# Allegro board ZC7020-PCB.brd (continued)
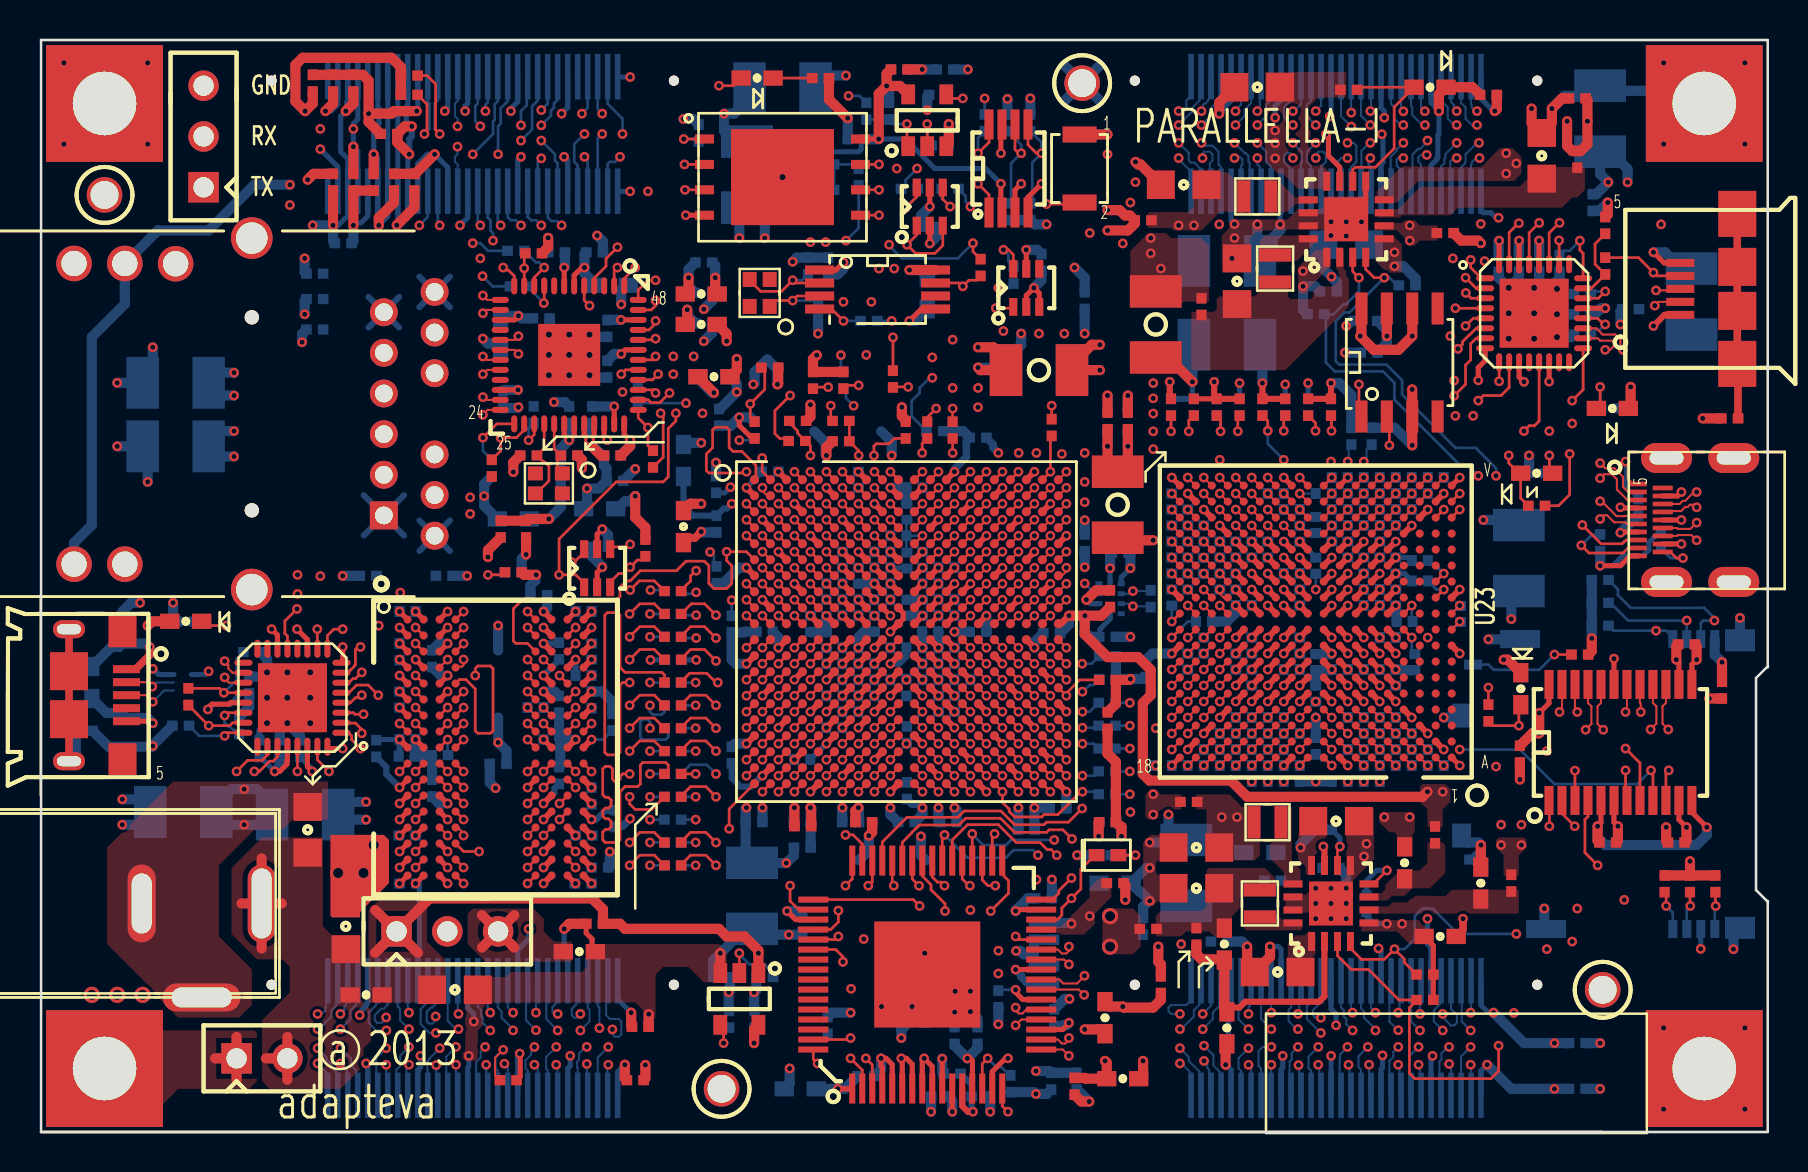
[diagram p0: board, top side]
## Routing (per net, layer and track width the routed paths; a pad name or vN(x,y) marks a point on that pad's centre or on a via; arc(x,y) is an arc through that point) (continued)
TXO_SO_LCLK_N: length 24.6
  TOP w0.102: U23.V13 v1(60.61,32.73)
  L3_SIG w0.095: v1(60.61,32.73) 60.63,32.75 60.63,35.53 61.22,36.12 61.22,36.7 61.59,37.07 61.59,37.64 61.33,37.9 61.33,38.53 61.24,38.62 60.68,38.62 60.4,38.9 60.4,39.53 60.68,39.8 61.24,39.8 61.33,39.9 61.33,40.28 61.24,40.37 60.68,40.37 60.4,40.65 60.4,41.28 60.68,41.56 61.24,41.56 61.33,41.65 61.33,42.03 61.24,42.13 61.01,42.13 60.71,42.43 60.71,43 61.01,43.31 61.24,43.31 61.33,43.4 61.33,47.49 62.22,48.37 62.22,49.02 v1(62.66,49.47)
  BOTTOM w0.102: v1(62.66,49.47) 62.66,49.45 63.11,49.01 63.11,48.52 63.07,48.48 J9.37
TXO_SO_LCLK_P: length 24.8
  TOP w0.102: U23.V12 v1(61.41,32.73)
  L3_SIG w0.095: v1(61.41,32.73) 61.41,32.44 61.28,32.31 61.12,32.31 61,32.44 61,32.89 60.94,32.95 60.94,35.41 61.52,35.99 61.52,36.58 61.89,36.95 61.89,37.77 61.64,38.02 61.64,38.65 61.36,38.93 60.8,38.93 60.71,39.02 60.71,39.4 60.8,39.5 61.36,39.5 61.64,39.77 61.64,40.41 61.36,40.68 60.8,40.68 60.71,40.77 60.71,41.16 60.8,41.25 61.36,41.25 61.64,41.52 61.64,42.16 61.36,42.43 61.14,42.43 61.01,42.56 61.01,42.88 61.14,43 61.36,43 61.64,43.28 61.64,47.36 62.52,48.25 62.52,48.56 v1(62.66,48.7)
  BOTTOM w0.102: v1(62.66,48.7) 62.66,48.84 62.56,48.95 62.35,48.95 62.22,48.82 62.22,48.51 62.51,48.23 62.51,47.11 J9.39
UART_RX: length 46.9
  TOP w0.133: U5.3 28.52,27.5 28.95,27.93 29.2,27.93 v1(29.52,28.24) 29.87,28.6 30.09,28.6 R40.2
  L5_SIG w0.108: J2.2 9.2,48.77 13.84,48.77 13.86,48.75 14.19,48.75 14.2,48.77 16.06,48.77 16.18,48.9 16.18,49.15 16.44,49.4 20.25,49.4 20.63,49.78 22.02,49.78 v1(22.91,48.9)
  L8_SIG w0.108: v1(29.52,28.24) 29.01,28.75 29.01,35.05 28.12,35.94 28.12,43.43 26.85,44.7 26.85,45.47 25.83,46.48 24.56,46.48 22.91,48.13 v1(22.91,48.9)
  BOTTOM w0.133: v1(22.91,48.9) 22.91,50.29 23.04,50.42 23.04,51.2 23.39,51.55 J13.24
UART_TX: length 42.8
  TOP w0.133: U5.6 27.22,28.99 26.72,28.5 v1(26.6,28.5)
  L5_SIG w0.108: J2.1 9.2,48.26 21.01,48.26 v1(21.64,48.9)
  L8_SIG w0.108: v1(26.6,28.5) 26.6,33.71 27.09,34.2 27.09,34.76 27.1,34.78 27.1,37.26 26.98,37.39 26.98,42.34 26.72,42.6 26.72,44.07 25.58,45.21 25.58,45.59 25.2,45.97 24.56,45.97 v1(21.64,48.9)
  BOTTOM w0.133: v1(21.64,48.9) 22.66,49.91 22.66,50.55 22.74,50.63 22.74,51.39 22.89,51.54 J13.26
USB_VBUS: length 21.9
  TOP w0.254: v1(8.4,21.13) 8.4,21.2 8.6,21.4 9.45,21.4 9.52,21.47 U17.21
  TOP w0.381: v1(5.49,24.26) 5.49,23.85 4.78,23.14 J7.1
  TOP w0.508: J14.3 23.72,9.23 ; J14.3 22.11,9.23 ; J14.3 23.72,10.84 ; J14.3 22.11,10.84
  L8_SIG w0.508: 22.21,9.33 J14.3 ; J14.3 22.21,10.73 ; J14.3 23.61,9.33
  BOTTOM w0.254: 6.7,22.88 5.93,22.88 v1(5.64,23.16) ; C68.1 10.05,21.93 9.5,21.39 8.65,21.39 v1(8.4,21.13)
  BOTTOM w0.508: v1(5.49,24.26) 5.32,24.42 4.12,24.42 3.95,24.26 3.57,24.26 C63.1 ; v1(5.01,26.47) 4.56,26.47 4.12,26.02 ; R103.2 10.47,21.25 C68.1 ; v1(6.66,26.47) 6.66,25.74 R100.2
USER_LED: length 43.1
  TOP w0.133: R334.2 39.55,35.65 v1(39.55,36.32) ; CR10.2 34.69,52.32 v1(33.96,52.32)
  L3_SIG w0.108: v1(39.55,36.32) 39.55,36.58 40.06,37.08 40.06,37.59 39.55,38.1 38.66,38.1 38.28,38.48 38.28,40.89 40.82,43.43 40.82,45.47 41.84,46.48 42.09,46.48 42.46,46.85 42.46,50.44 41.58,51.31 38.15,51.31 37.14,52.32 v1(33.96,52.32) 32.82,51.18 29.77,51.18 29.39,51.56 22.79,51.56 v1(22.28,51.05)
  BOTTOM w0.133: J13.28 22.39,51.49 22.28,51.37 v1(22.28,51.05)
VADC_N: length 52.1
  TOP w0.102: v1(42.53,24.22) U2.L10
  L8_SIG w0.095: v1(42.53,24.22) 42.98,24.66 42.98,24.89 43.41,25.32 43.41,26.47 43.61,26.67 43.61,34.8 44,35.18 44,36.7 44.25,36.96 44.25,37.52 44,37.77 44,39.73 44.76,40.49 44.76,43.18 43.95,43.98 42.46,43.98 41.96,43.48 v1(41.96,43.18)
  L10_SIG w0.095: v1(20.88,49.28) 20.88,49.53 21.06,49.71 21.54,49.71 22.1,49.15 22.1,49.02 22.1,47.42 22.91,46.61 28.5,46.61 28.93,46.18 31.37,46.18 31.55,46.35 39.12,46.35 40.9,44.58 40.9,44.2 41.91,43.18 v1(41.96,43.18)
  BOTTOM w0.102: v1(20.88,49.28) 20.88,48.9 20.75,48.77 20.75,48.51 20.89,48.38 J13.33
VADC_P: length 52
  TOP w0.102: U2.K9 v1(41.73,25.82)
  L8_SIG w0.095: v1(41.73,25.82) 42.14,25.41 42.86,25.41 43.11,25.65 43.11,26.59 43.31,26.8 43.31,34.92 43.69,35.31 43.69,36.91 43.87,37.08 43.87,37.47 43.69,37.64 43.69,39.85 44.45,40.61 44.45,43.05 43.83,43.68 42.59,43.68 42.39,43.48 42.39,43.31 42.52,43.18 v1(42.73,43.18)
  L10_SIG w0.095: v1(42.73,43.18) 42.22,43.69 41.84,43.69 41.2,44.32 41.2,44.7 39.25,46.66 31.68,46.66 31.42,46.66 31.24,46.48 29.06,46.48 28.63,46.91 28.37,46.91 23.04,46.91 22.41,47.55 22.41,49.28 21.67,50.01 21.16,50.01 v1(20.88,50.29)
  BOTTOM w0.102: J13.34 20.89,51.57 20.75,51.44 20.75,50.8 20.88,50.67 v1(20.88,50.29)
VMODE_1: length 6.8
  TOP w0.133: U2.D5 v1(38.53,30.62) ; R43.2 37.48,35.47 37.9,35.05 37.9,34.94 R75.1 38.53,34.3 v1(38.53,33.83)
  L3_SIG w0.108: v1(38.53,30.62) 38.14,31.02 38.14,32.38 38.37,32.62 38.69,32.62 38.93,32.86 38.93,33.18 38.66,33.45 38.66,33.7 v1(38.53,33.83)
ZYNQ_VCCPLL: length 2.9
  TOP w0.133: U2.G8 v1(40.93,28.22)
  TOP w0.508: C172.1 v1(33.71,36.97)
  BOTTOM w0.508: v1(33.71,36.97) 33.62,36.97 32.91,37.68 C172.1
N20734701: length 1.7
  TOP w0.133: U2.R10 v1(42.53,21.02)
  BOTTOM w0.133: v1(42.53,21.02) 43.32,21.81 R4.1
N20734785: length 1.6
  TOP w0.133: v1(44.14,21.02) U2.R11
  BOTTOM w0.133: R3.1 43.4,20.28 43.94,20.82 43.94,20.82 v1(44.14,21.02)
N20734865: length 7.6
  TOP w0.254: U2.K10 43.17,25.65 43.17,25.96 42.93,26.19 U2.J10
  TOP w0.305: U2.K10 42.93,25.42 v1(42.53,25.02) ; U2.L9 v1(41.73,24.22)
  L5_SIG w0.108: v1(42.53,25.02) 42.53,25.02 v1(41.73,24.22)
  BOTTOM w0.305: v1(34.6,31.42) 34.36,31.18 34.2,31.18 C16.1 32.65,30.82 32.18,31.29 FB2.2
N20879833: length 6.4
  TOP w0.133: U2.D9 v1(41.73,30.62) ; v1(44.12,33.96) 44.12,34.43 R32.1
  L3_SIG w0.108: v1(41.73,30.62) 42.14,31.02 43.34,31.02 43.74,31.42 43.74,33.58 v1(44.12,33.96)
N20899839: length 7
  TOP w0.133: U2.F14 v1(46.54,29.02) ; R296.1 v1(45.65,33.96)
  L3_SIG w0.108: v1(46.54,29.02) 46.13,29.42 46.13,29.98 45.9,30.22 45.58,30.22 45.33,30.46 45.33,33.65 v1(45.65,33.96)
N20899988: length 8
  TOP w0.133: v1(43.42,37.26) 42.69,37.26 R60.1 ; U2.C10 v1(42.53,31.42)
  L3_SIG w0.108: v1(43.42,37.26) 43.42,36.64 43.61,36.45 43.61,35.05 43.36,34.8 43.36,31.67 43.11,31.42 v1(42.53,31.42)
N20900114: length 2.4
  TOP w0.133: U2.A19 v1(50.54,33.02) 50.54,34.75 R59.1
N20927995: length 18.6
  BOTTOM w0.305: J5.12 20.5,42.77 ; J5.12 20.5,41.25 ; J5.12 18.98,41.25 ; J5.12 18.98,42.77 ; J5.7 20.5,30.58 ; J5.7 18.98,30.58 ; J5.7 18.98,29.06 ; J5.7 20.5,29.06 ; J5.6 17.96,40.23 ; J5.6 16.44,41.76 ; J5.6 17.96,41.76 ; J5.6 16.44,40.23 ; J5.1 18.2,29.83 ; J5.1 18.2,31.84 ; J5.1 16.19,29.83 ; J5.1 16.19,31.84
N20937479: length 2.3
  TOP w0.133: U9.40 30.63,37.61 v1(30.91,37.9)
  BOTTOM w0.133: R71.2 30.16,37.64 30.66,37.64 v1(30.91,37.9)
N21001971: length 1.9
  TOP w0.133: U9.27 24.72,34.88 v1(24.44,34.59)
  BOTTOM w0.133: R77.1 24.44,35.19 v1(24.44,34.59)
N21002298: length 2.9
  TOP w0.133: R78.1 23.04,34.06 v1(23.04,34.72) 23.83,34.72 24.22,35.11 U9.26
N21089768: length 2.3
  TOP w0.133: v1(78.29,40.39) 78.29,40.31 77.9,40.69 U12.20
  BOTTOM w0.133: v1(78.29,40.39) 78.01,40.11 77.8,40.11 C57.1
N21090019: length 3.8
  TOP w0.133: U12.23 77.59,42.19 R85.1 77.78,43.4 77.78,44.41 R116.1
N21090233: length 1.9
  TOP w0.133: CR5.2 75.49,33.11 v1(75.49,33.83)
  BOTTOM w0.133: v1(75.49,33.83) 75.49,33.16 R89.2
N21090237: length 2
  TOP w0.133: U12.22 77.94,41.69 v1(78.29,42.04)
  BOTTOM w0.133: R86.1 77.69,42.04 v1(78.29,42.04)
N21090239: length 10.2
  TOP w0.381: C260.1 84.93,38.38 J6.8 J6.9 J6.6 J6.7
N21090289: length 3.3
  TOP w0.133: U12.24 77.18,43.94 77.02,44.11 v1(77.02,44.58)
  BOTTOM w0.133: R90.1 76.21,44.07 76.51,44.07 v1(77.02,44.58)
N21123442: length 8.3
  TOP w0.381: J7.6 J7.9 J7.8 1.45,18.54
  BOTTOM w0.508: C261.1 1.79,18.89 1.45,18.54
N21123446: length 5.3
  TOP w0.133: R101.2 8.98,22.19 v1(9.2,21.97) U17.20
  BOTTOM w0.133: v1(9.2,21.97) 9.2,21.97 9.83,22.61 9.83,23.66 C66.1
N21123707: length 3.2
  TOP w0.133: U17.23 9.64,20.47 9.49,20.32 8.44,20.32 v1(8.44,20.32) 7.89,20.87 7.89,20.88 R101.1
N21123919: length 2.3
  TOP w0.133: U17.22 9.37,20.97 v1(9.24,20.83)
  BOTTOM w0.133: R103.1 9.87,19.9 9.5,20.27 9.42,20.27 9.24,20.46 v1(9.24,20.83)
N21123971: length 3
  TOP w0.133: v1(9.24,19.81) 9.39,19.97 U17.24
  BOTTOM w0.133: v1(9.24,19.81) 7.97,19.81 R106.1
N21274148: length 7.1
  TOP w0.133: U2.G5 v1(38.53,28.22)
  L3_SIG w0.108: v1(33.52,29.01) 33.9,28.62 34.41,28.62 34.94,28.1 34.94,28.06 35.18,27.82 38.13,27.82 v1(38.53,28.22)
  BOTTOM w0.133: R112.1 33.71,28.41 33.71,28.82 v1(33.52,29.01)
N21274157: length 5.6
  TOP w0.133: U2.H5 v1(38.53,27.42)
  L3_SIG w0.108: v1(34.6,26.59) 35.02,27.02 38.13,27.02 v1(38.53,27.42)
  BOTTOM w0.133: R113.1 v1(34.6,26.59)
N21305139: length 14.7
  TOP w0.305: U20.J12 v1(27.59,19.63) ; U20.J1 v1(17.99,19.63)
  L8_SIG w0.108: v1(17.99,19.63) 18.18,19.82 18.24,19.82 18.45,20.03 25.62,20.03 26.48,19.16 27.12,19.16 v1(27.59,19.63)
  BOTTOM w0.133: v1(27.59,19.63) 28.18,19.63 C95.1
  BOTTOM w0.254: v1(17.99,19.63) 16.85,19.63 R69.2
  BOTTOM w0.305: v1(17.99,19.63) 17.99,18.84 R70.1
N21307938: length 1.4
  TOP w0.133: U20.J3 v1(20.39,19.63)
  BOTTOM w0.133: R119.1 20.39,18.87 v1(20.39,19.63)
N21356725: length 0.6
  TOP w0.254: U20.J10 25.59,19.23 v1(25.19,19.63)
N22414199: length 2.1
  TOP w0.133: v1(54.79,13.84) D1.2
  BOTTOM w0.133: R225.2 v1(54.79,13.84)
N22934548: length 12.6
  TOP w0.305: U29.2 64.24,6.79 63.97,6.52 60.29,6.52 60.23,6.45 60.22,6.45 59.99,6.22 59.58,6.22 R279.1
  TOP w0.508: R279.1 59.24,6.13 R278.2 59.2,8.64 58.09,8.64 57.84,8.89 C242.2
N22955725: length 20.4
  TOP w0.254: v1(64.32,49.9) 64.44,49.77 64.44,48.82 65.01,48.25 U30.11
  L8_SIG w0.254: v1(64.32,49.9) 64.44,49.9 65.08,50.54 65.08,51.23 64.7,51.61 56.63,51.61 56.25,51.23 56.25,46.04 v1(56.95,45.34) v1(57.71,45.34)
N23028604:
  vias: v1(68.51,45.34) v1(68.51,44.58)
N23098459: length 9.5
  TOP w0.133: R288.1 66,52.25 CR8.2 67.73,51.25 67.73,49.18 66.79,48.24 65.77,48.24 65.66,48.13 U30.10
N23150334: length 0.6
  TOP w0.133: U23.A10 v1(63.01,18.33)
N23150336: length 1.6
  TOP w0.133: U23.A9 v1(64.61,18.33)
  BOTTOM w0.133: v1(64.61,18.33) 64.35,18.59 64.11,18.59 R290.2
N23155371: length 0.6
  TOP w0.133: U23.V9 v1(64.61,32.73)
N23155373: length 7.3
  TOP w0.133: U23.V10 v1(63.01,32.73)
  L5_SIG w0.108: v1(63.01,32.73) 63.43,32.31 63.43,31.24 63.81,30.86 v1(63.81,27.13)
  BOTTOM w0.133: R292.2 v1(63.81,27.13)
N23204370: length 3.2
  TOP w0.514: J15.1 9.83,4.75 ; J15.1 9.83,2.61 ; J15.1 8.76,3.68
N23524236: length 11.9
  TOP w0.133: U5.4 28.63,29.26 29.39,29.26 v1(29.52,29.39) ; U2.B5 v1(38.53,32.22)
  L10_SIG w0.108: v1(29.52,29.39) 31.95,31.82 38.13,31.82 v1(38.53,32.22)
N23533198: length 2.3
  TOP w0.133: U9.37 29.92,35.72 v1(30.41,35.23) 30.41,34.33 R297.2
N23584454: length 0.6
  TOP w0.133: U2.L6 v1(39.33,24.22)
N23601474: length 2.3
  TOP w0.133: U33.2 v1(44.38,50.41)
  BOTTOM w0.133: R294.1 44.38,49.54 v1(44.38,50.41)
N23613650: length 5.9
  TOP w0.133: U34.5 49.42,49.37 49.84,48.95 v1(50.09,48.95)
  BOTTOM w0.133: R298.2 50.09,49.49 v1(50.09,48.95) 49.63,48.49 49.63,46.54 R301.2
N23614416: length 5.8
  TOP w0.133: U34.6 48.77,49.13 48.95,48.95 v1(49.08,48.95)
  BOTTOM w0.133: R299.2 48.57,46.62 48.57,48.44 v1(49.08,48.95) 49.08,49.36 R300.1
N23881678: length 3.1
  TOP w0.133: v1(47.4,3.68) 47.13,3.41 U26.14
  BOTTOM w0.133: R224.1 48.5,2.83 48.02,3.32 47.76,3.32 v1(47.4,3.68)
N23924961: length 1.9
  BOTTOM w0.508: C262.1 C196.1 51.55,10.45 v1(51.59,10.41)
  vias: v1(52.5,10.79)
N23961346: length 6.9
  TOP w0.133: v1(52.14,17.02) 52.05,17.02 50.91,15.88 50.22,15.88 50.1,15.76 48.74,15.76 48.47,16.03 48.47,16.15 48.14,16.48 v1(48.14,17.02) U2.Y16
  BOTTOM w0.133: v1(52.14,17.02) 52.82,17.02 R82.1
N23963188: length 5.7
  TOP w0.133: U2.Y17 v1(48.94,17.02)
  L5_SIG w0.108: v1(52.14,17.82) 51.74,18.22 49.57,18.22 49.34,17.98 49.34,17.59 49.08,17.32 49.08,17.16 v1(48.94,17.02)
  BOTTOM w0.133: v1(52.14,17.82) 52.73,17.82 R94.1
N23969750: length 5
  TOP w0.133: U2.V17 v1(48.94,18.62)
  L3_SIG w0.108: v1(52.14,19.42) 51.73,19.02 49.34,19.02 49.34,19.02 49.34,19.02 v1(48.94,18.62)
  BOTTOM w0.133: R42.1 52.71,19.42 v1(52.14,19.42)
N23971584: length 5
  TOP w0.133: U2.T17 v1(48.94,20.22)
  L3_SIG w0.108: v1(52.14,20.22) 51.74,20.62 49.33,20.62 v1(48.94,20.22)
  BOTTOM w0.133: R44.1 52.85,20.22 v1(52.14,20.22)
N23973428: length 5.1
  TOP w0.133: U2.R17 v1(48.94,21.02)
  L3_SIG w0.108: v1(52.14,21.02) 52.01,21.02 51.62,21.42 49.52,21.42 49.24,21.13 49.05,21.13 v1(48.94,21.02)
  BOTTOM w0.133: v1(52.14,21.02) 52.5,21.02 R41.1
N24967627: length 3
  TOP w0.133: v1(9.32,25.32) 8.31,25.32 CR6.2
  BOTTOM w0.133: v1(9.32,25.32) 7.91,25.32 R100.1
N24971917: length 2.3
  TOP w0.133: v1(78.03,37.26) 78.03,36.38 CR4.2
  BOTTOM w0.133: R84.1 78.03,36.25 v1(78.03,37.26)
N25055901: length 4
  TOP w0.133: Y1.1 36.79,41.58 v1(37.65,41.58) 37.87,41.81 U35.3
  BOTTOM w0.133: C54.1 38.83,41.58 v1(37.65,41.58)
N25055972: length 4.9
  TOP w0.133: Y1.3 35.49,42.59 36.04,42.04 37.09,42.04 v1(37.65,42.6) 37.78,42.46 U35.2
  BOTTOM w0.133: v1(37.65,42.6) 38.11,42.6 C61.1
N25073534: length 2.5
  TOP w0.133: R55.1 46.83,42.6 46.46,42.6 v1(46.15,42.29) 45.99,42.46 U35.7
N25073620: length 2.3
  TOP w0.133: v1(40.19,40.56) 39.59,41.16 U35.4
  BOTTOM w0.133: R56.1 v1(40.19,40.56)
N25086531: length 2.5
  TOP w0.133: v1(43.3,46.22) 43.85,46.77 U11.6
  BOTTOM w0.133: v1(43.3,46.22) 43.91,46.82 R99.1
N25086552: length 2.2
  TOP w0.133: v1(45.52,46.28) 45.15,46.64 U11.4
  BOTTOM w0.133: v1(45.52,46.28) 45.1,46.7 R110.1
N25088109: length 2.4
  TOP w0.133: U14.6 48.68,43.88 48.44,44.12 v1(48.19,44.12)
  BOTTOM w0.133: R114.1 48.44,43.52 48.44,43.87 v1(48.19,44.12)
N25161882: length 2.9
  TOP w0.133: U34.8 47.46,49.49 v1(46.92,48.95)
  BOTTOM w0.133: R96.1 46.92,49.72 v1(46.92,48.95)
N25176046: length 3.3
  TOP w0.133: U36.2 v1(34.98,8.94)
  BOTTOM w0.133: v1(34.98,8.94) 34.98,8.89 35.49,8.38 36.25,8.38 36.5,8.13 36.5,7.91 R327.1
N25262962: length 2.4
  TOP w0.254: v1(48.8,7.11) 48.8,6.99 49.16,6.62 U26.22
  BOTTOM w0.133: R237.1 47.97,7.11 v1(48.8,7.11)
N25329408: length 1.5
  TOP w0.133: U23.L2 v1(70.21,27.13)
  BOTTOM w0.133: v1(70.21,27.13) 69.85,27.13 R219.2
N25329410: length 1.6
  TOP w0.133: U23.M2 v1(70.21,27.93)
  BOTTOM w0.133: v1(70.21,27.93) 69.93,28.2 69.79,28.2 R220.2
N25337074: length 2.7
  TOP w0.133: CR1.1 73.97,21.27 v1(73.97,20.32) 72.66,20.32 R1.2
N25352411: length 2
  TOP w0.133: CR10.1 R30.1
N25693741: length 26.7
  TOP w0.133: v1(37.52,36.83) 36.76,36.07 36.76,34.92 37,34.68 37.31,34.68 R75.2 ; v1(31.8,35.94) 31.8,35.56 31.42,35.18 31.42,32.77 31.17,32.51 28.82,32.51 25.96,29.65 v1(25.96,27.86) 26.8,27.86 27.22,27.45 U5.1
  L5_SIG w0.108: v1(37.52,36.83) 35.61,36.83 34.98,37.47 30.41,37.47 30.15,37.21 30.15,36.83 30.53,36.45 31.3,36.45 v1(31.8,35.94)
N25830704: length 1
  TOP w0.305: U29.11 64.24,14.22 v1(64.19,14.27)
N25830712:
  vias: v1(59.11,15.75) v1(59.87,15.75)
N26009321: length 1.4
  TOP w0.133: v1(56.61,25.53) U23.K18
  BOTTOM w0.133: R221.2 v1(56.61,25.53)
N26009323: length 2.1
  TOP w0.133: v1(56.61,24.73) U23.J18
  BOTTOM w0.133: v1(56.61,24.73) 57.41,25.53 R222.2
N26021053: length 1.5
  TOP w0.133: U23.J4 v1(68.61,24.73)
  BOTTOM w0.133: v1(68.61,24.73) 68.61,24.05 R238.1
N26025511: length 1.4
  TOP w0.133: U23.K4 v1(68.61,26.33)
  BOTTOM w0.133: R239.1 68.61,25.57 v1(68.61,26.33)

## Copper pours and planes (outline as drawn; the poured copper is in the pictures)
GND on TOP (solid shape): 17.45,14.61 17.45,12.45 15.8,10.79 14.53,10.79 14.53,14.86 17.2,14.86
GND on TOP: 21.26,7.75 21.26,4.06 21.14,3.94 21.14,3.68 21.26,3.56 21.77,3.56 21.9,3.68 21.9,5.08 22.15,5.33 22.15,6.22 22.41,6.48 29.77,6.48 30.15,6.1 30.15,5.08 30.66,5.08 30.66,5.59 30.79,5.71 30.79,7.87 31.17,8.26 32.44,8.26 33.2,7.49 34.34,7.49 34.34,9.02 33.96,9.4 27.36,9.4 27.36,8.26 27.1,8 23.55,8 23.29,7.75
GND on TOP: 68.63,14.86 68.63,13.97 68.51,13.84 67.87,13.84 67.87,14.86 67.74,14.99 67.49,14.99 66.98,15.49 66.98,15.88 67.11,16 68.63,16 68.76,15.88 68.76,14.99
GND on TOP: 66.35,46.79 64.19,46.79 64.19,46.28 64.06,46.15 62.92,46.15 62.41,45.64 59.62,45.64 59.49,45.52 59.49,45.21 59.11,44.83 59.11,43.05 60.51,43.05 60.51,44.7 60.81,45.01 62.28,45.01 62.41,45.14 64.06,45.14 64.32,44.88 64.32,44.63 66.35,44.63
GND on TOP: 65.33,16.18 65.33,12.75 65.08,12.5 63.55,12.5 63.55,12.12 63.3,11.86 62.28,11.86 62.28,10.97 63.43,10.97 63.55,10.85 63.55,10.34 65.59,10.34 65.59,12.5 66.73,13.64 66.73,16.18
GND on TOP: 10.59,8.13 10.59,6.35 9.96,5.71 6.91,5.71 5.9,6.73 5.9,6.86 3.36,9.4 3.36,14.22 6.66,17.53 14.4,17.53 14.4,15.62 12.63,15.62 12.12,15.11 10.72,15.11 8.94,13.34 8.94,9.78
GND on TOP: 55.55,14.86 57.33,14.86 57.33,13.59 55.93,13.59 55.81,13.46 55.81,12.95 55.93,12.83 57.33,12.83 57.33,11.56 55.93,11.56 55.68,11.3 55.3,11.3 55.17,11.43 55.17,14.48
GND on L2_GND, L4_GND, L9_GND, L11_GND: 0.82,0.76 0.82,53.85 85.65,53.85 85.65,0.76
VCC_XADC on L3_SIG: 42.85,25.45 42.22,25.45 41.58,26.09 40.82,26.09 38.41,28.5 35.11,28.5 34.6,29.01 34.41,29.01 34.2,29.21 33.44,29.21 32.82,29.83 32.82,30.15 32.9,30.23 33.45,30.23 33.81,29.87 35,29.87 35.23,29.64 39.42,29.64 40.31,28.75 40.44,28.75 42.98,26.21 42.98,25.58
VDD_ADJ on L8_SIG: 16.31,48.9 15.04,48.9 14.53,49.4 14.53,52.58 16.18,54.23 71.55,54.23 74.35,51.44 74.35,51.05 75.62,49.78 75.62,47.5 72.32,44.2 71.68,44.2 71.55,44.32 71.55,46.1 73.08,47.62 73.46,47.62 73.97,48.13 73.97,49.02 72.06,50.93 72.06,51.31 71.43,51.94 56.31,51.94 55.43,51.05 53.65,51.05 53.01,51.69 53.01,52.7 52.38,53.34 43.74,53.34 43.11,52.7 41.58,52.7 40.95,53.34 39.68,53.34 39.04,52.7 18.21,52.7 17.58,52.07 17.58,50.16
VDD_DSP on TOP: 55.43,44.96 56.31,44.96 56.57,44.7 58.09,44.7 58.47,44.32 58.47,41.53 57.2,41.53 56.95,41.27 54.54,41.27 54.54,44.07
VDD_DSP on L7_PWR: 57.48,38.1 57.48,31.47 57.71,31.24 58.6,31.24 59.11,30.73 59.11,27.81 60.25,27.81 60.25,22.99 73.59,22.99 73.59,24.77 72.57,24.77 72.57,34.16 70.03,34.16 70.03,40.13 69.78,40.39 69.78,40.64 69.8,40.67 69.8,41.05 66.09,44.75 56.64,44.75 56.59,44.7 56.31,44.7 55.81,45.21 55.17,45.21 54.79,44.83 54.79,38.23 55.68,38.23 55.81,38.1
VDD_DSP on L10_SIG: 57.46,42.93 56.06,42.93 52.5,46.48 46.03,46.48 41.46,51.05 30.28,51.05 28.63,52.7 13.9,52.7 13.01,51.82 13.01,49.02 13.64,48.39 17.2,48.39 18.21,47.37 18.21,44.83 17.83,44.45 12.88,44.45 9.58,47.75 9.58,52.83 10.72,53.98 43.36,53.98 47.04,50.29 54.16,50.29 57.71,46.74 57.71,43.18
VDD_GPIO on BOTTOM: 55.68,10.03 56.06,10.41 56.06,12.06 57.58,12.06 57.58,11.94 57.71,12.06 58.6,12.06 58.6,10.41 58.73,10.29 58.73,9.27 57.97,9.27 57.71,9.02 55.04,9.02 54.92,9.14 54.92,10.03
VDD_GPIO on L3_SIG: 74.48,15.88 74.48,21.21 74.86,21.59 76.89,21.59 78.16,20.32 78.16,19.18 79.81,17.53 80.7,17.53 80.95,17.78 80.95,18.41 80.32,19.05 80.32,19.68 79.68,20.32 79.68,21.21 76.89,24 76.89,28.45 73.33,32 73.33,33.15 72.32,34.16 72.32,36.2 73.46,37.34 73.46,42.29 74.98,43.81 75.87,43.81 76.38,44.32 76.38,49.4 76,49.78 76,50.67 76.25,50.93 78.67,50.93 79.43,50.16 79.43,41.53 77.78,39.88 77.78,37.72 75.75,35.69 75.36,35.69 74.98,35.31 74.98,34.67 75.36,34.29 76.38,34.29 78.92,31.75 78.92,26.42 81.71,23.62 83.24,23.62 84.13,22.73 84.13,14.86 83.49,14.22 76.13,14.22
VDD_GPIO on L6_PWR: 12.5,41.15 12.5,44.7 13.77,45.97 16.18,45.97 16.18,44.83 17.33,43.69 17.33,11.68 18.85,11.68 19.23,12.06 26.72,12.06 27.1,11.68 39.04,11.68 42.34,8.38 54.54,8.38 54.54,11.43 53.14,12.83 52.25,12.83 50.47,14.61 50.47,20.07 53.52,23.11 57.33,23.11 58.09,22.35 58.09,19.81 57.33,19.05 54.92,19.05 54.92,14.73 55.3,14.35 55.68,14.35 55.68,13.34 57.46,11.56 57.46,7.75 56.95,7.24 56.95,5.33 56.82,5.21 44.12,5.21 43.87,5.46 42.6,5.46 41.2,6.86 40.19,6.86 38.66,5.33 38.66,0.76 13.39,0.76 13.39,9.27 11.48,11.18 11.48,29.97 8.56,32.89 8.56,37.21
VDD_GPIO on L7_PWR: 40.06,14.35 39.55,14.86 39.55,18.41 40.44,19.3 40.44,20.45 40.69,20.7 41.2,20.7 41.84,20.07 45.01,20.07 45.14,20.19 45.14,22.73 49.96,22.73 50.09,22.86 51.87,22.86 52,22.73 53.14,22.73 53.14,22.99 55.17,22.99 55.17,22.61 73.59,22.61 73.59,21.34 75.24,21.34 75.24,16 74.6,15.37 72.32,15.37 72.32,13.84 71.05,12.57 56.82,12.57 54.85,14.54 53.2,14.54 53.14,14.48 52.76,14.48 52.38,14.86 48.57,14.86 48.06,14.35
1P0V on TOP: 54.66,8.89 55.04,9.27 55.04,10.79 54.66,11.18 53.39,11.18 53.14,10.92 53.14,9.14 53.39,8.89
1P0V on BOTTOM: 42.98,33.66 42.98,39.12 42.09,40.01 39.17,40.01 39.04,39.88 38.79,39.88 37.65,41.02 35.61,41.02 34.34,42.29 33.33,42.29 33.33,41.78 32.95,41.4 32.95,41.02 33.07,40.89 34.09,40.89 35.36,39.62 37.01,39.62 38.41,38.23 39.3,38.23 39.8,38.73 40.44,38.73 41.2,37.97 41.2,34.16 41.96,34.16 42.47,33.66
1P0V on BOTTOM: 52.76,37.85 52.76,41.66 52.63,41.78 51.62,41.78 50.6,42.8 50.6,53.21 51.23,53.85 53.14,53.85 53.77,53.21 53.77,51.05 54.41,50.42 54.41,48.01 56.19,46.23 56.19,45.72 56.95,44.96 58.22,44.96 58.6,44.58 58.6,41.27 57.08,41.27 55.68,39.88 55.68,38.73 54.79,37.85
1P0V on L3_SIG: 18.34,48.26 18.6,48.26 19.1,48.77 19.1,50.16 22.02,53.09 38.66,53.09 39.42,52.32 40.95,52.32 41.84,51.44 44.12,51.44 44.76,52.07 47.42,52.07 48.44,51.05 53.27,51.05 53.77,51.56 53.77,53.85 20.25,53.85 17.83,51.44 17.83,48.77
1P0V on L6_PWR: 58.09,31.05 56.5,32.64 55.04,32.64 55.04,43.43 50.6,43.43 41.96,34.8 41.96,29.9 41.71,29.64 39.93,29.64 39.42,29.13 39.42,20.07 38.28,18.92 38.28,18.29 37.57,17.58 34.72,17.58 33.96,16.81 33.96,12.19 39.3,12.19 42.6,8.89 53.9,8.89 53.9,11.43 52.89,12.45 51.74,12.45 49.96,14.22 49.96,20.32 53.39,23.75 58.09,23.75
1P0V on L8_SIG: 52.63,53.47 50.47,53.47 49.96,52.96 43.36,52.96 42.47,52.07 41.84,52.07 40.82,53.09 39.93,53.09 39.3,52.45 18.09,52.45 17.33,51.69 17.33,48.9 17.83,48.39 18.47,48.39 18.85,48.77 18.85,49.78 19.1,50.04 19.99,50.04 20.63,49.4 22.79,49.4 23.29,48.9 30.41,48.9 31.17,49.66 39.42,49.66 39.68,49.4 41.2,49.4 42.09,50.29 43.11,50.29 44.5,51.69 47.55,51.69 48.06,51.18 48.57,51.18 49.33,51.94 50.09,51.94 51.36,50.67 52.63,50.67 53.27,51.31 53.27,52.83
1P0V_FLTR_PHY on L5_SIG: 32.69,42.47 31.55,42.47 31.17,42.85 30.53,42.85 30.28,42.6 27.49,42.6 26.85,43.23 26.85,43.48 26.6,43.74 25.96,43.74 25.71,43.48 25.71,41.71 27.23,40.18 27.23,37.39 28.76,35.86 28.76,34.47 28.63,34.34 27.99,34.34 27.87,34.47 27.87,34.85 25.71,37.01 25.71,39.67 24.31,41.07 24.31,43.61 25.07,44.37 25.58,44.37 25.96,44.75 30.03,44.75 30.66,44.12 30.66,44.07 31.04,43.69 32.18,43.69 32.82,43.05 32.82,42.6
1P8V on TOP: 55.81,17.14 56.06,16.89 57.08,16.89 57.08,16.13 56.06,16.13 55.93,16 55.93,15.75 55.81,15.62 55.43,15.62 55.3,15.75 55.3,16.89 55.55,17.14
1P8V on BOTTOM: 28.88,32.18 29.77,32.18 29.9,32.05 29.9,29.9 28.63,28.63 28.63,28.37 28.37,28.12 27.87,28.12 25.96,30.02 22.91,30.02 22.15,29.26 22.15,28.63 22.28,28.5 22.66,28.5 23.55,29.39 24.56,29.39 25.33,28.63 25.33,27.74 26.22,26.85 28.76,26.85 29.26,27.36 30.03,27.36 31.55,28.88 31.55,32.94 30.91,33.58 29.77,33.58 29.26,33.07 28.88,33.07
1P8V on L6_PWR: 68.38,38.91 69.52,37.77 75.57,37.77 75.75,37.59 75.75,29.46 72.32,29.46 72.32,25.65 73.33,24.64 75.75,24.64 75.75,14.35 75.11,13.72 65.97,13.72 65.97,15.24 65.59,15.62 62.28,15.62 62.28,0.76 39.04,0.76 39.04,5.21 40.19,6.35 41.07,6.35 42.34,5.08 43.36,5.08 43.74,4.7 49.33,4.7 49.46,4.83 57.08,4.83 57.2,4.95 57.2,6.1 57.33,6.22 57.33,6.99 57.84,7.49 57.84,11.94 56.06,13.72 56.06,14.35 55.43,14.99 55.43,17.91 56.06,18.54 57.58,18.54 58.47,19.43 58.47,31.11 56.63,32.96 55.3,32.96 55.3,38.91
1P8V on L7_PWR: 79.05,34.98 85.65,34.98 85.65,53.77 0.82,53.77 0.82,17.32 14.66,17.32 15.8,18.47 15.8,42.55 14.15,44.2 13.01,44.2 11.74,45.47 11.74,48.39 18.6,48.39 19.48,47.5 19.48,32.56 20.12,31.93 26.6,31.93 27.36,31.17 34.09,31.17 34.34,31.42 34.34,35.74 34.47,35.86 35.11,35.86 35.23,35.99 35.23,37.64 35.11,37.77 34.47,37.77 34.09,38.15 34.09,49.96 40.69,49.96 41.2,50.47 42.34,50.47 43.87,48.95 43.87,46.15 44.63,45.39 44.63,40.94 44.12,40.44 41.96,40.44 41.58,40.06 41.58,37.77 41.96,37.39 43.61,37.39 44,37.01 44,33.07 43.74,32.82 42.34,32.82 41.96,32.44 41.96,29.77 41.84,29.64 40.69,29.64 40.31,29.26 40.31,23.42 41.2,22.53 41.2,21.26 42.09,20.37 44.76,20.37 44.76,23.11 44.38,23.5 44.38,24.64 44,25.02 44,26.04 44.38,26.42 44.38,26.8 44,27.18 44,28.32 44.81,29.13 48.69,29.13 48.82,29.26 48.82,32.94 48.95,33.07 52.12,33.07 52.5,33.45 52.5,34.92 51.87,35.56 51.87,37.97 52.12,38.23 52.76,38.23 52.82,38.16 52.89,38.23 54.41,38.23 54.41,45.09 54.92,45.59 56.06,45.59 56.44,45.21 66.6,45.21 70.28,41.53 70.28,41.02 70.41,40.89 70.41,34.54 79.05,34.54
1P8V_FLTR_PHY on L5_SIG: 32.69,41.2 32.69,40.94 31.68,39.93 30.66,39.93 29.39,38.66 28.25,38.66 27.87,39.04 27.87,40.06 25.96,41.96 25.96,43.36 26.09,43.48 26.34,43.48 26.6,43.23 26.6,43.1 27.36,42.34 29.77,42.34 30.66,41.45 32.44,41.45
1P35V on L6_PWR: 16.56,46.15 42.29,46.15 42.34,46.1 43.49,46.1 44,46.61 49.84,46.61 50.6,47.37 55.04,47.37 55.04,43.69 50.09,43.69 43.13,36.73 43.08,36.73 41.58,35.23 41.58,30.02 39.68,30.02 39.17,29.51 39.17,20.19 38.03,19.05 38.03,18.47 37.52,17.96 34.6,17.96 33.58,16.94 33.58,12.19 27.36,12.19 26.98,12.57 18.85,12.57 18.34,12.06 17.71,12.06 17.71,43.94 16.56,45.09
1P35V on L7_PWR: 34.34,25.45 34.09,25.7 34.09,26.09 34.34,26.34 34.34,28.75 16.18,28.75 16.18,18.08 15.04,16.94 0.82,16.94 0.82,0.81 34.47,0.81 34.34,0.94
2P5V on TOP: 69.4,16.13 69.4,15.24 70.16,15.24 70.16,16.13 70.54,16.51 70.54,17.14 70.28,17.4 69.14,17.4 69.01,17.27 69.01,16.51
2P5V on BOTTOM: 50.85,39.37 50.85,36.83 52,35.69 54.66,35.69 54.66,37.08 54.28,37.47 52.76,37.47 52.5,37.72 52.5,39.37
2P5V on L7_PWR: 57.2,37.72 57.2,31.24 57.46,30.99 58.35,30.99 58.85,30.48 58.85,27.56 60,27.56 60,22.99 55.43,22.99 55.43,23.37 52.76,23.37 52.76,23.11 45.14,23.11 45.14,23.24 44.63,23.75 44.63,24.89 44.25,25.27 44.25,25.91 44.63,26.29 44.63,26.92 44.25,27.3 44.25,28.19 44.93,28.88 49.2,28.88 49.2,32.82 52.5,32.82 52.89,33.2 52.89,35.18 52.25,35.81 52.25,37.59 52.5,37.85 55.3,37.85 55.43,37.72
